# Altium PCB PCB_CONTROL.PcbDoc (part 1 of 2) (continued)
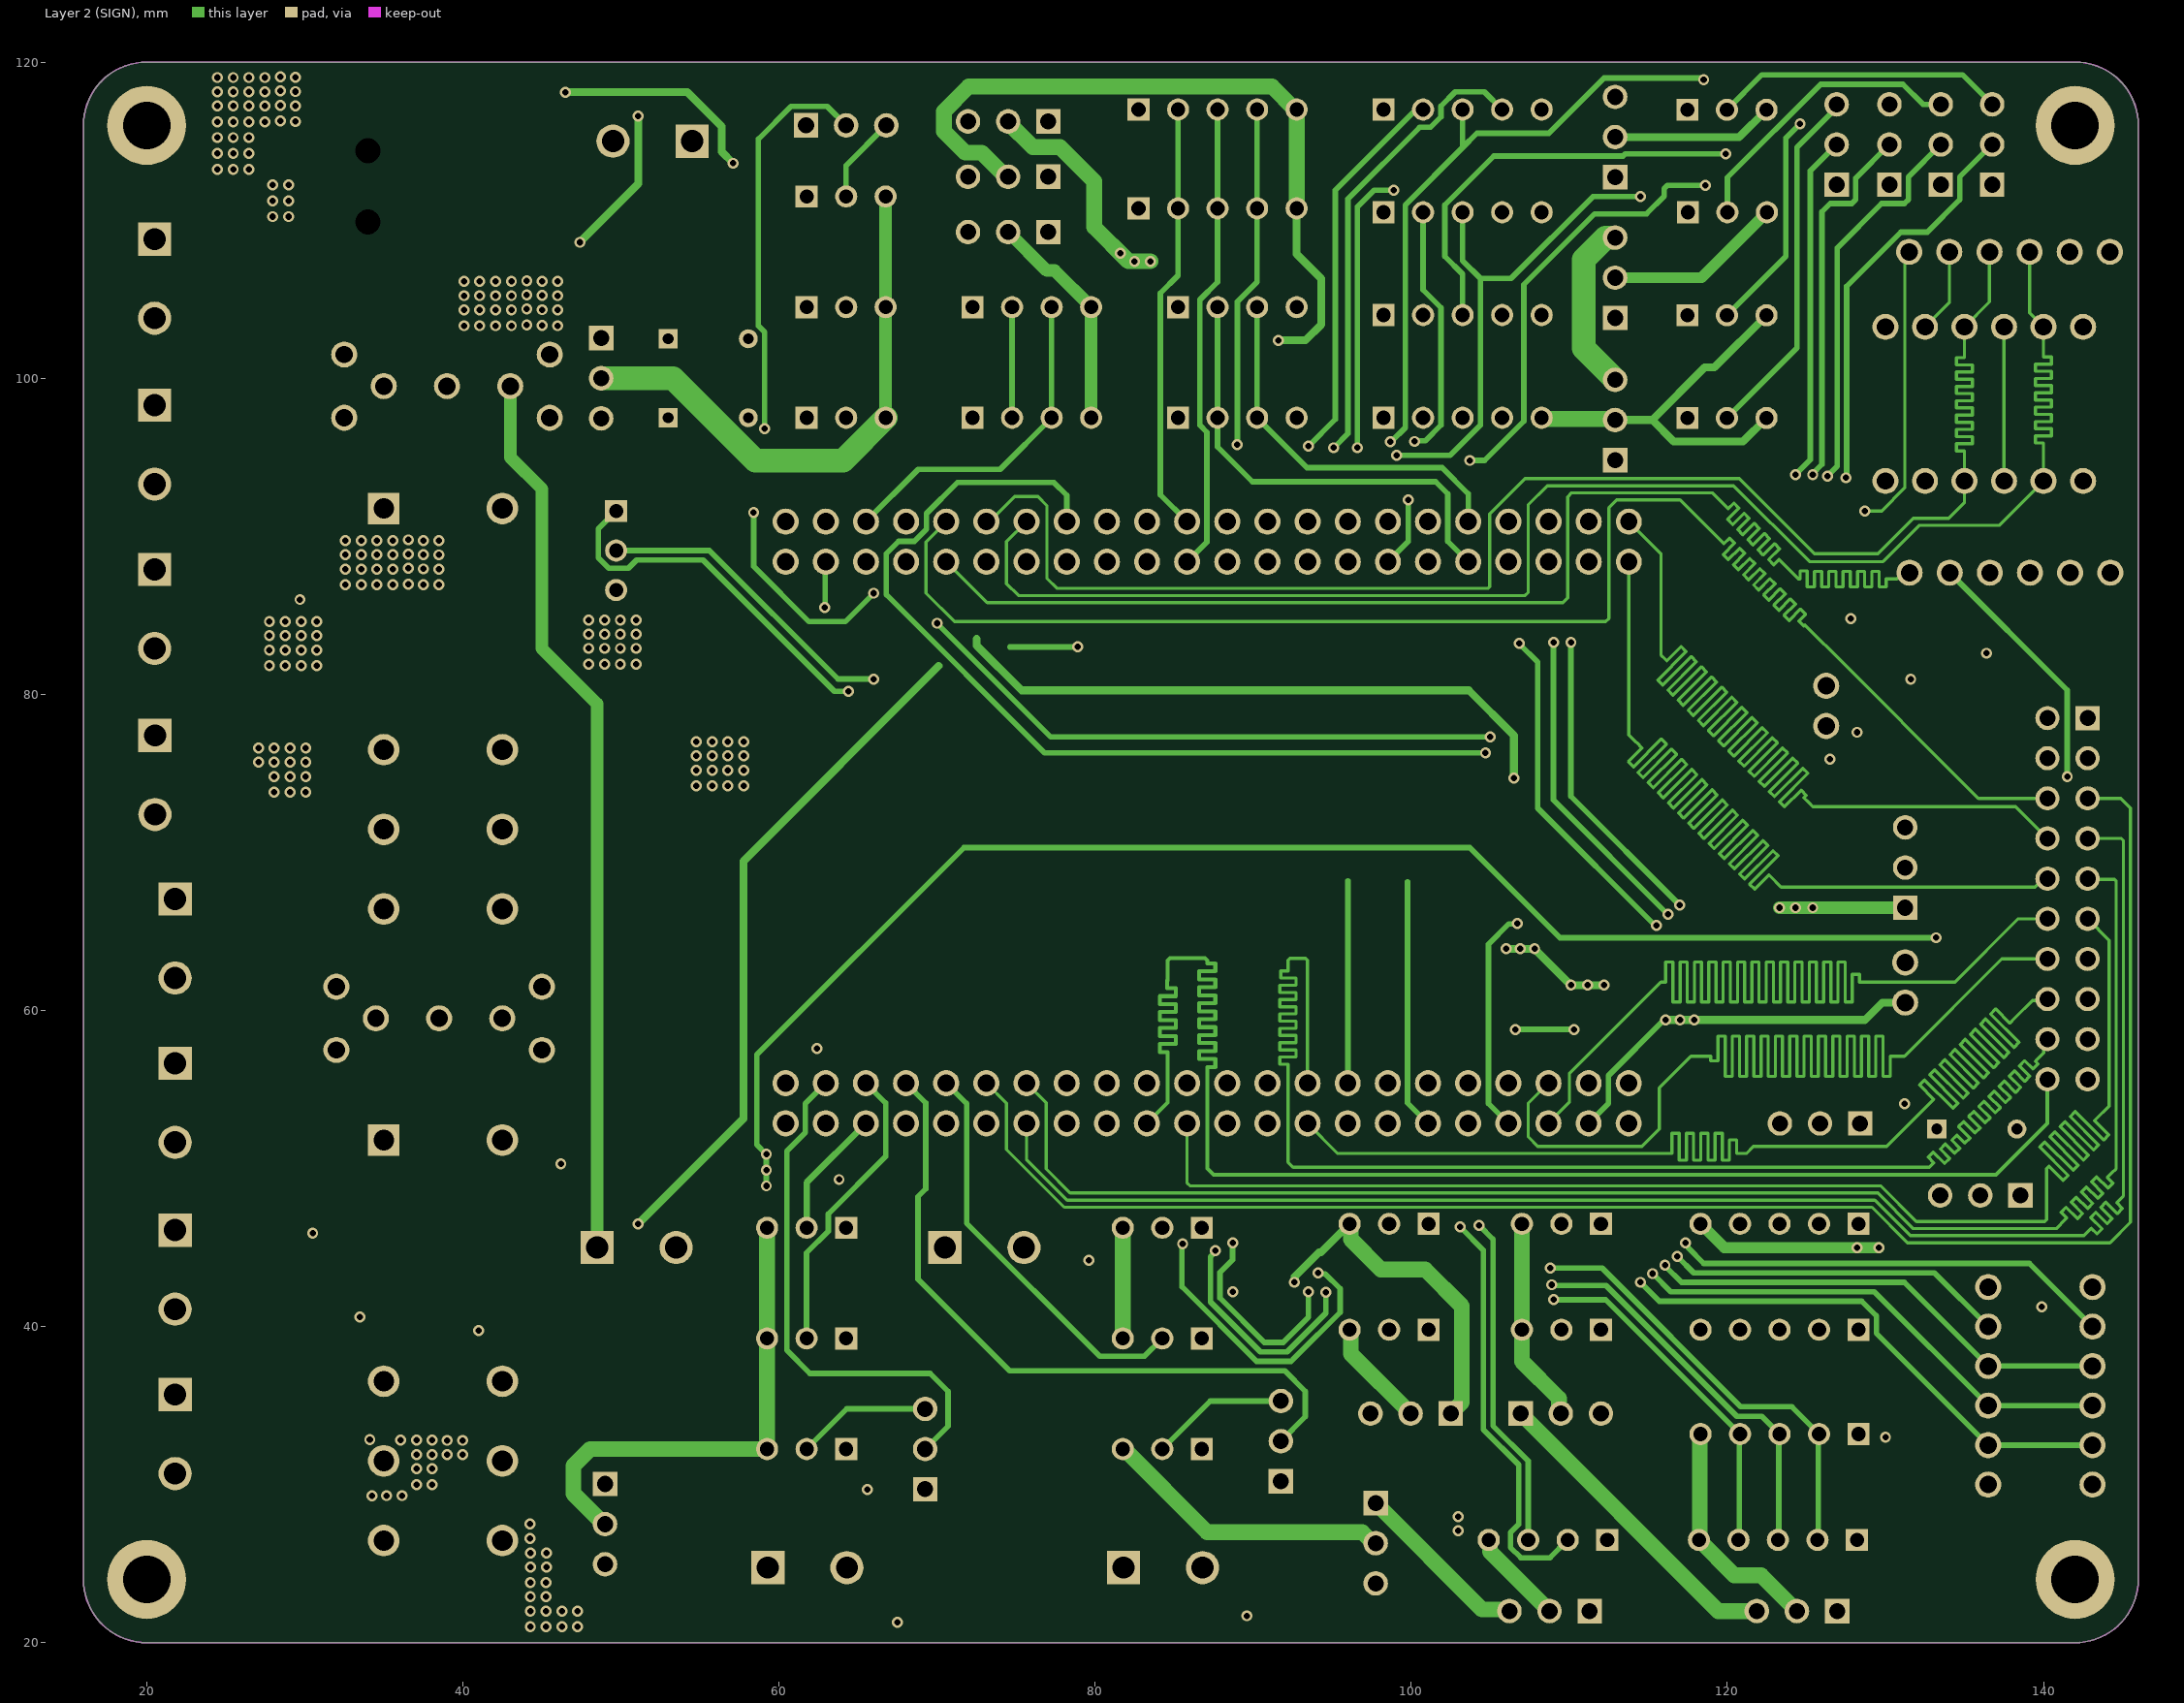
[diagram p3: Layer 2 (SIGN)]
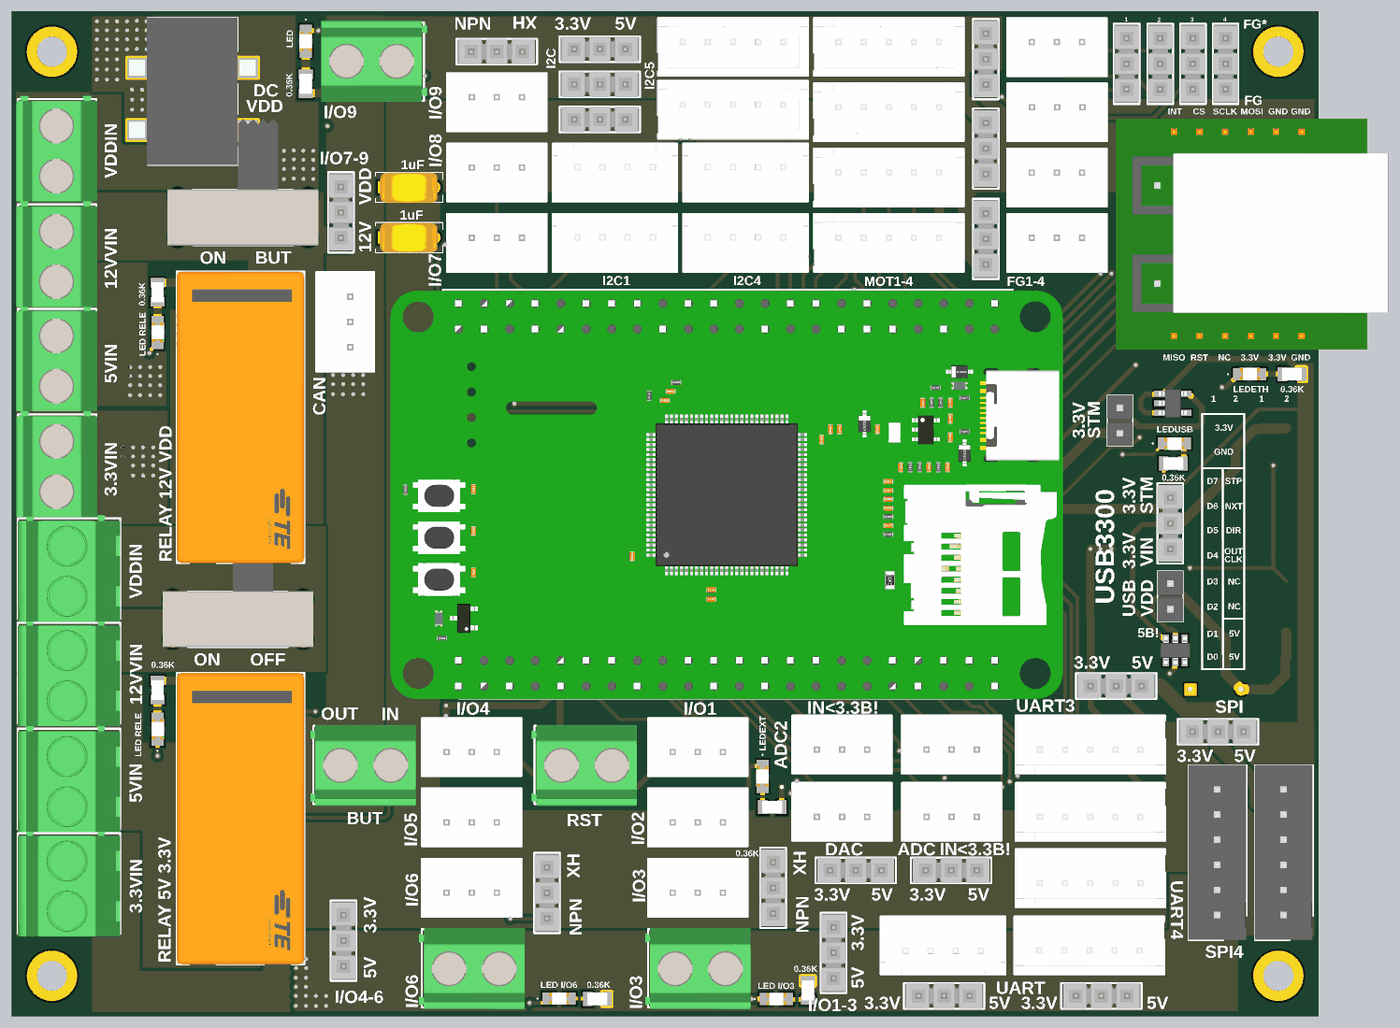
[diagram p5: 3D render of the assembled board from above, using the file's embedded part models]
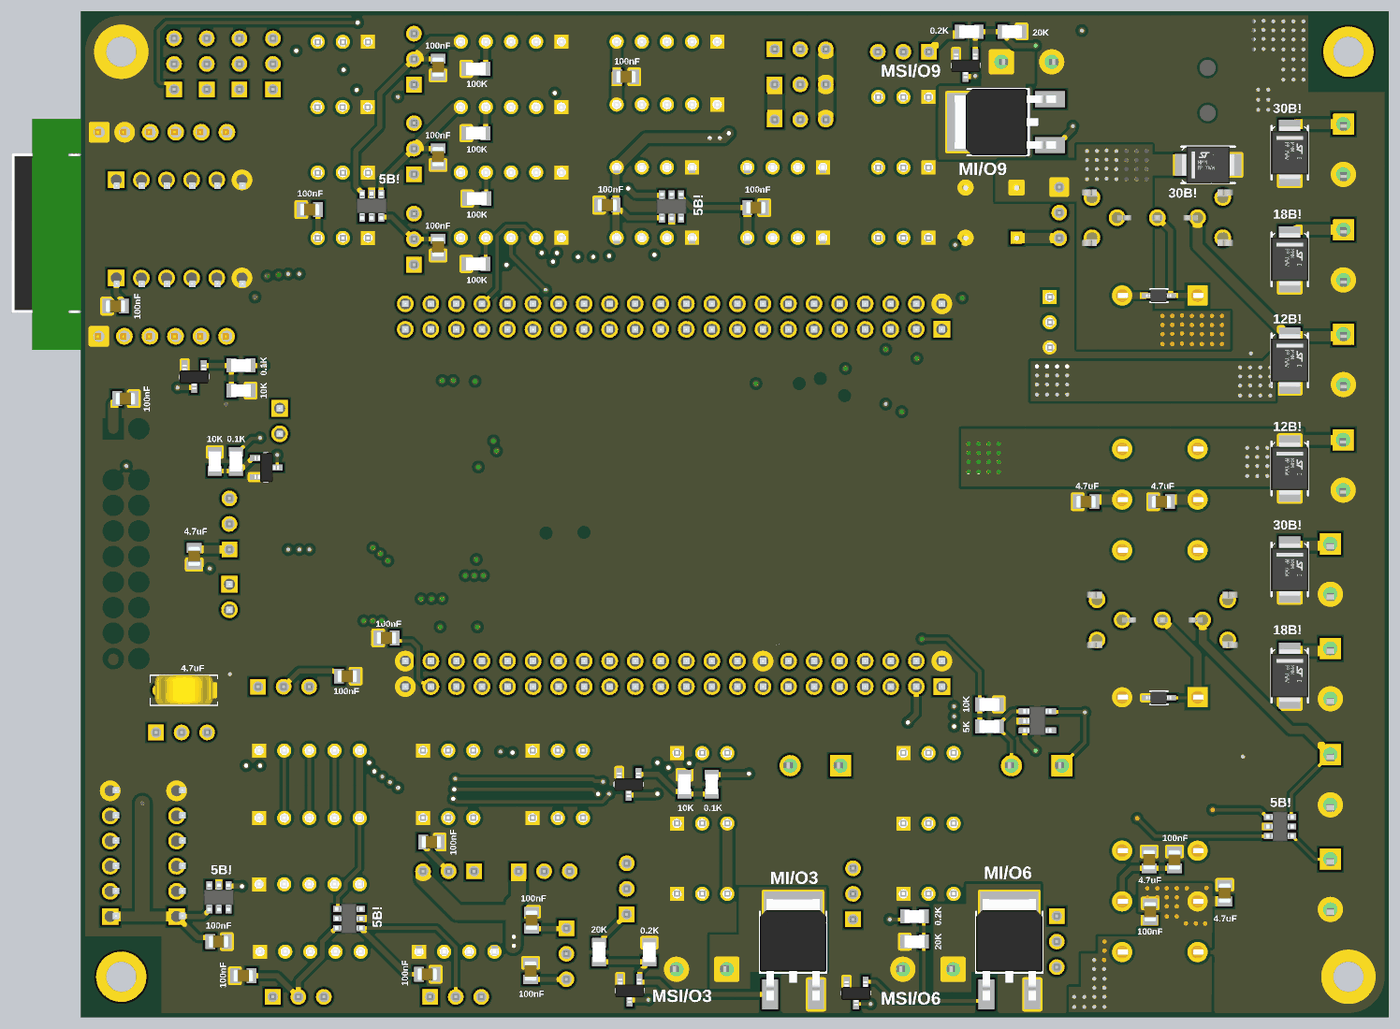
[diagram p6: 3D render of the assembled board from below, using the file's embedded part models]

## Layer stack, top to bottom
Top Solder: solder mask 0.025, Solder Resist, Dk 3.5
Top Layer (PWR): signal copper 0.035
Dielectric 2: prepreg 0.115, FR-4, Dk 4.2
Layer 1 (GND): signal copper 0.035
Dielectric 1: dielectric 1.13, FR-4, Dk 4.7
Layer 2 (SIGN): signal copper 0.035
Dielectric 3: prepreg 0.115, FR-4, Dk 4.2
Bottom Layer (GND): signal copper 0.035
Bottom Solder: solder mask 0.025, Solder Resist, Dk 3.5

## Board outline
16,24 16,116 cw(c20,116) 20,120 142,120 142,120.002 cw(c141.999,116.001) 146,116 146,24 cw(c141.989,24.01) 141.979,19.999 142,20 20,20 cw(c20,24)

## Design rules (kind name [scope] priority, off if disabled: settings)
BoardOutlineClearance [All] p1: gap=0.4 ignorepadtopadclearanceinfootprint=FALSE
Clearance [All] p1: gap=0.25 ignorepadtopadclearanceinfootprint=FALSE except(0.3: Arc-Fill Arc-Poly Arc-Region Track-Fill Track-Poly Track-Region SMDPad-Fill SMDPad-Poly SMDPad-Region THPad-Fill THPad-Poly THPad-Region Via-Fill Via-Poly Via-Region)
ComponentClearance [All] p1: gap=-100 collisioncheckmode=3 verticalgap=-100 showdistances=FALSE
DiffPairsRouting [All] p1: maxlimit=0.5 minlimit=0.2 mostfreqgap=0.25 toplayer_minwidth=0.2 toplayer_maxwidth=0.35 toplayer_prefwidth=0.25 midlayer1_minwidth=0.2 midlayer1_maxwidth=0.35 midlayer1_prefwidth=0.25 midlayer2_minwidth=0.2 midlayer2_maxwidth=0.35 midlayer2_prefwidth=0.25 bottomlayer_minwidth=0.2 bottomlayer_maxwidth=0.35 bottomlayer_prefwidth=0.25 maxuncoupledlength=12.7
Height [All] p1: minheight=0 maxheight=100 prefheight=12.7
HoleSize [All] p1: absolutevalues=TRUE maxlimit=5 minlimit=0.3 maxpercent=80.000 minpercent=20.000
HoleToHoleClearance [All] p1: gap=0.5 allowstackedmicrovias=TRUE
MatchedLengths MatchedLengths_1 [InNetClass('50OhUSB')] p1: tolerance=5 checknetsindiffpair=FALSE checkdiffpairvsdiffpair=TRUE checkxsignals=TRUE checkothers=TRUE
MatchedLengths [InNetClass('50OhETH')] p2: tolerance=5 checknetsindiffpair=FALSE checkdiffpairvsdiffpair=TRUE checkxsignals=TRUE checkothers=TRUE
MinimumAnnularRing [All] p1: minimumring=0.15
MinimumSolderMaskSliver [All] p1: minsoldermaskwidth=0.25
PlaneClearance [All] p1: clearance=0.25
PlaneConnect [All] p1: planeconnectstyle=Direct reliefexpansion=0.508 reliefentries=4 reliefconductorwidth=0.254 reliefairgap=0.254
PolygonConnect [All] p1: connectstyle=Direct reliefconductorwidth=0.254 reliefentries=4 polygonreliefangle="90 Angle" airgapwidth=0.254
RoutingVias [All] p1: holewidth=0.4 width=0.7 viastyle="Through Hole" minholewidth=0.3 minwidth=0.7 maxholewidth=0.5 maxwidth=0.7
SilkToSilkClearance [All] p1: silktosilkclearance=0
SilkToSolderMaskClearance [IsPad] p1: minsilkscreentomaskgap=0 clearancetoexposedcopper=TRUE
SolderMaskExpansion [All] p1: expansion=0.2 istentingtop=FALSE
UnRoutedNet [All] p1: checkbadconnections=TRUE
Width Width_1 [InNetClass('50Oh')] p1: maxlimit=5 minlimit=0.2 preferedwidth=0.281 midlayer1_prefwidth=0.2 midlayer2_prefwidth=0.2 impedanceprofiledriven=TRUE impedanceprofileid={30B3FABD-EAF2-4661-A894-F71A052667B3} impedanceprofilevalue=40.000000 minimp=50.000000 maximp=50.000000 favimp=50.000000
Width [All] p2: maxlimit=5 minlimit=0.2 preferedwidth=0.3 minimp=50.000000 maximp=50.000000 favimp=50.000000
19 further rules are at their usual default settings.

## Classes and differential pairs
net class 50OhETH: PB3 PB4 PD6
net class 50OhUSB: D0 D1 D2 D3 D4 D5 D6 D7 DIR NXT PA5 PC0
component class U_LEDS: LEDETH(BLUE) LEDEXT(YELLOW) LEDUSB(BLUE) NMOSETH NMOSEXT NMOSUSB RESETH RESEXT RESG1 RESG2 RESG3 RESG4 RESG5 RESG6 RESUSB
component class U_I_O: CAP3VI/O1 CAP3VI/O2 CAP5VI/O1 CAP5VI/O2 CAP12VI/O CAPVDDI/O I/O1 I/O2 I/O3 I/O4 I/O5 I/O6 I/O7 I/O8 I/O9 JMPI/O1 JMPI/O2 JMPI/O3 JMPI/O3HIGH JMPI/O6 JMPI/O9 LED3(GREEN) LED6(GREEN) LED9(GREEN) M1 M6 M9 MS1 MS6 MS9 OUT3 OUT6 OUT9 RES1 RES2 RES3 RES4 RES5 RES6 RES7 RES8 RES9
component class U_ADC1: ADC1-1 ADC1-2 CAPADC JMPADC1
component class U_USB3300: CAPUSB3V USB3300
component class U_UARTSTM: CAPUART3 CAPUART4 CAPUART7 JMPUART3 JMPUART4 JMPUART7 NUPUART UART3-1 UART3-2 UART4-1 UART4-2 UART7-1
component class U_STM32: BUTIN1 BUTIN2 CAP5VUSB CAPSTM3V CAPSTM5V ESDUSB JMP3VUSB JMP5VUSB RSTOUT STM
component class U_SPI: CAPSPI3 CAPSPI4 JMPSPI NUPSPI SPI3-1 SPI3-2 SPI4-1 SPI4-2 W5500SPI
component class U_RELAY_12VV_VDD_LEVEL: DIODRELE1 LEDRELE1 RELAY1 RESRELE1 ПД9-2RELE2
component class U_RELAY_5V_3.3V_LEVEL: DIODRELE2 LEDRELE2 RELAY2 RES_RELAY_2 ПД9-2RELE1
component class U_MOTORS: CAPMOT1 CAPMOT2 CAPMOT3 CAPMOT4 JMPFG1 JMPFG2 JMPFG3 JMPFG4 JMPMOT2 JMPMOT3 JMPMOT4 NUPMOT RESPWM1 RESPWM2 RESPWM3 RESPWM4 XH3MOT1 XH3MOT2 XH3MOT3 XH3MOT4 XH5MOT1 XH5MOT2 XH5MOT3 XH5MOT4
component class U_I2C: CAPI2C1 CAPI2C4 CAPI2C5 ESDI2C I2C1-2 I2C4-1 I2C4-2 I2C5-1 I2C5-2 I2С1-1 JMPI2C1 JMPI2C4 JMPI2C5
component class U_CAN: CAN
component class CONTROL_PCB_MAIN: CAP3.3VIN CAP5VIN CAP12VVIN CAPVDDIN DC050_VDD DGBUT DGIN3.3V2 DGIN5V2 DGIN12VV2 DGOUT3.3V DGOUT5V DGOUT12VV DGOUTVDD DGVDD2 ESD12VV ESDOUT3V ESDOUT5V ESDOUT12V ESDOUTVDD ESDPLUG_VDD ESDVDD JMPDC1 JMPSTM5V MAX5VSTM MAXBUT NUPIN XHADC2 XHDAC1

## Components (designator, comment, footprint, x,y, rotation, side; value= is the part's Value field where it differs from the comment)
ADC1-1 "XH2.54-3" XH2.54-3 114.475,49.986 r180 top
ADC1-2 "XH2.54-3" XH2.54-3 114.475,43.286 r180 top
BUTIN1 "5K" RES0805 57.228,48.096 r180 bottom
BUTIN2 "10K" RES0805 57.228,50.283 r180 bottom
CAN "XH2.54-3" XH2.54-3 46.214,94.075 r270 top
CAP3.3VIN "4.7uF" CAP0805 40.627,37.06 r270 bottom
CAP3VI/O1 "0.1uF" CAP0805 36.473,34.2 r90 bottom
CAP3VI/O2 "0.1uF" CAP0805 100.373,28.2 r90 bottom
CAP5VI/O1 "0.1uF" CAP0805 40.527,31.9 r270 bottom
CAP5VI/O2 "0.1uF" CAP0805 100.473,23.14 r90 bottom
CAP5VIN "4.7uF" CAP0805 31.473,30.893 r90 bottom
CAP5VUSB "47uF" К10-17Б 132.412,54.033 r0 bottom
CAP12VI/O "1uF" К10-17Б 52.162,95.967 r0 top
CAP12VVIN "4.7uF" CAP0805 47.51,70.423 r180 bottom
CAPADC "0.1uF" CAP0805 112.6,36.573 r180 bottom
CAPI2C1 "0.1uF" CAP0805 77.49,101.327 r0 bottom
CAPI2C4 "0.1uF" CAP0805 95.1,99.923 r180 bottom
CAPI2C5 "0.1uF" CAP0805 90.4,114.327 r0 bottom
CAPMOT1 "0.1uF" CAP0805 121.84,101.127 r0 bottom
CAPMOT2 "0.1uF" CAP0805 111.327,98 r270 bottom
CAPMOT3 "0.1uF" CAP0805 111.327,107 r270 bottom
CAPMOT4 "0.1uF" CAP0805 111.327,115.9 r270 bottom
CAPSPI3 "0.1uF" CAP0805 144,89.873 r180 bottom
CAPSPI4 "0.1uF" CAP0805 130.9,28.327 r0 bottom
CAPSTM3V "0.1uF" CAP0805 133.923,64.4 r90 bottom
CAPSTM5V "0.1uF" CAP0805 117.06,56.873 r180 bottom
CAPUART3 "0.1uF" CAP0805 118.1,54.727 r0 bottom
CAPUART4 "0.1uF" CAP0805 131.3,23.273 r180 bottom
CAPUART7 "0.1uF" CAP0805 110.15,25.077 r0 bottom
CAPUSB3V "0.1uF" CAP0805 143.01,80.673 r180 bottom
CAPVDDI/O "1uF" К10-17Б 52.162,100.967 r0 top
CAPVDDIN "4.7uF" CAP0805 40.01,70.423 r180 bottom
DC050_VDD "DC050" DC050 40.558,105.513 r90 top
DGBUT "DG127-5.0-02P" DG127-5.0-02P 45.863,40.963 r0 top
DGIN3.3V2 "DG128-5.0-02P" DG128-5.0-02P 16.647,38.207 r270 top
DGIN5V2 "DG128-5.0-02P" DG128-5.0-02P 16.647,48.607 r270 top
DGIN12VV2 "DG128-5.0-02P" DG128-5.0-02P 16.647,59.157 r270 top
DGOUT3.3V "DG127-5.0-02P" DG127-5.0-02P 16.488,80.037 r270 top
DGOUT5V "DG127-5.0-02P" DG127-5.0-02P 16.463,90.537 r270 top
DGOUT12VV "DG127-5.0-02P" DG127-5.0-02P 16.463,100.937 r270 top
DGOUTVDD "DG127-5.0-02P" DG127-5.0-02P 16.463,111.437 r270 top
DGVDD2 "DG128-5.0-02P" DG128-5.0-02P 16.647,69.557 r270 top
DIODRELE1 "DIOD0805" DIOD0805 36.95,92.475 r0 bottom
DIODRELE2 "DIOD0805" DIOD0805 36.95,52.475 r0 bottom
ESD12VV "SM6T30A" SM6T-A 27.764,57.276 r270 bottom
ESDI2C "NUP4114" NUP4114 89.05,99.023 r180 bottom
ESDOUT3V "SM6T30A" SM6T-A 27.764,77.876 r270 bottom
ESDOUT5V "SM6T30A" SM6T-A 27.764,88.626 r270 bottom
ESDOUT12V "SM6T30A" SM6T-A 27.764,98.676 r270 bottom
ESDOUTVDD "SM6T30A" SM6T-A 27.764,109.276 r270 bottom
ESDPLUG_VDD "SM6T30A" SM6T-A 37.276,102.823 r180 bottom
ESDUSB "NUP4114" NUP4114 130,54.8 r0 top
ESDVDD "SM6T30A" SM6T-A 27.764,67.826 r270 bottom
I2C1-2 "XH2.54-4" XH2.54-4 82.35,106.896 r180 top
I2C4-1 "XH2.54-4" XH2.54-4 95.35,99.896 r180 top
I2C4-2 "XH2.54-4" XH2.54-4 95.35,106.896 r180 top
I2C5-1 "XH2.54-5" XH2.54-5 95.243,113.273 r180 top
I2C5-2 "XH2.54-5" XH2.54-5 95.243,119.523 r180 top
I2С1-1 "XH2.54-4" XH2.54-4 82.35,99.896 r180 top
I/O1 "XH2.54-3" XH2.54-3 89.225,49.736 r180 top
I/O2 "XH2.54-3" XH2.54-3 89.225,42.736 r180 top
I/O3 "XH2.54-3" XH2.54-3 89.225,35.736 r180 top
I/O4 "XH2.54-3" XH2.54-3 66.725,49.736 r180 top
I/O5 "XH2.54-3" XH2.54-3 66.725,42.736 r180 top
I/O6 "XH2.54-3" XH2.54-3 66.725,35.736 r180 top
I/O7 "XH2.54-3" XH2.54-3 59.275,94.014 r0 top
I/O8 "XH2.54-3" XH2.54-3 59.275,101.014 r0 top
I/O9 "XH2.54-3" XH2.54-3 59.275,108.014 r0 top
JMP3VUSB "JMP-03P" JMP-03P 132.585,64.875 r90 top
JMP5VUSB "JMP-02P" JMP-02P 132.546,59.203 r90 top
JMPADC1 "JMP-03P" JMP-03P 105.295,33.165 r0 top
JMPDC1 "JMP-03P" JMP-03P 104.125,35.835 r180 top
JMPFG1 "JMP-03P" JMP-03P 128.25,110.625 r90 top
JMPFG2 "JMP-03P" JMP-03P 131.585,110.625 r90 top
JMPFG3 "JMP-03P" JMP-03P 134.835,110.625 r90 top
JMPFG4 "JMP-03P" JMP-03P 138.085,110.625 r90 top
JMPI2C1 "JMP-03P" JMP-03P 78.665,110.585 r180 top
JMPI2C4 "JMP-03P" JMP-03P 78.665,117.585 r180 top
JMPI2C5 "JMP-03P" JMP-03P 78.665,114.085 r180 top
JMPI/O1 "JMP-03P" JMP-03P 96.415,30.455 r270 top
JMPI/O2 "JMP-03P" JMP-03P 47.665,31.665 r270 top
JMPI/O3 "JMP-03P" JMP-03P 47.415,104.165 r270 top
JMPI/O3HIGH "JMP-03P" JMP-03P 93.085,28.585 r90 top
JMPI/O6 "JMP-03P" JMP-03P 70.585,28.085 r90 top
JMPI/O9 "JMP-03P" JMP-03P 60.085,114.665 r0 top
JMPMOT2 "JMP-03P" JMP-03P 114.235,93.195 r90 top
JMPMOT3 "JMP-03P" JMP-03P 114.235,102.195 r90 top
JMPMOT4 "JMP-03P" JMP-03P 114.235,111.095 r90 top
JMPSPI "JMP-03P" JMP-03P 140.165,49.635 r180 top
JMPSTM5V "JMP-02P" JMP-02P 127.546,76.703 r90 top
JMPUART3 "JMP-03P" JMP-03P 130.025,54.185 r180 top
JMPUART4 "JMP-03P" JMP-03P 128.565,23.335 r180 top
JMPUART7 "JMP-03P" JMP-03P 112.915,23.335 r180 top
LED3(GREEN) "LED0805" LED0805 90.287,20.965 r0 top
LED6(GREEN) "LED0805" LED0805 68.687,21.015 r0 top
LED9(GREEN) "LED0805" LED0805 44.515,118.813 r270 top
LEDETH(BLUE) "LED0805" LED0805 137.387,83.165 r0 top
LEDEXT(YELLOW) "LED0805" LED0805 89.965,45.613 r270 top
LEDRELE1 "GREEN" LED0805 31.235,86.287 r90 top
LEDRELE2 "GREEN" LED0805 31.235,46.787 r90 top
LEDUSB(BLUE) "LED0805" LED0805 129.887,76.265 r0 top
M1 "2N7002P" 2N7002P 90.125,24.4 r0 bottom
M6 "2N7002P" 2N7002P 67.625,24.15 r0 bottom
M9 "2N7002P" 2N7002P 56.725,116.4 r0 bottom
MAX5VSTM "MAX40203" MAX40203 130.675,79.55 r0 top
MAXBUT "MAX40203" MAX40203 51.75,48 r180 bottom
MS1 "20N06" 20N06 78.412,20.675 r180 bottom
MS6 "20N06" 20N06 56.912,20.675 r180 bottom
MS9 "20N06" 20N06 48.086,105.803 r90 bottom
NMOSETH "2N7002P" 2N7002P 133.425,85.45 r0 bottom
NMOSEXT "2N7002P" 2N7002P 90.225,44.9 r0 bottom
NMOSUSB "2N7002P" 2N7002P 129.35,75.975 r270 bottom
NUPIN "NUP4114" NUP4114 28.4,40.7 r270 bottom
NUPMOT "NUP4114" NUP4114 115.35,102.277 r0 bottom
NUPSPI "NUP4114" NUP4114 130.55,33.5 r0 bottom
NUPUART "NUP4114" NUP4114 117.773,28.05 r90 bottom
OUT3 "DG127-5.0-02P" DG127-5.0-02P 79.163,20.713 r0 top
OUT6 "DG127-5.0-02P" DG127-5.0-02P 56.663,20.713 r0 top
OUT9 "DG127-5.0-02P" DG127-5.0-02P 57.137,119.037 r180 top
RELAY1 "RELAY" RELAY-5V 32.4,94.215 r270 top
RELAY2 "RELAY" RELAY-5V 32.4,54.255 r270 top
RES1 "200R" RES0805 95.304,27.978 r270 bottom
RES2 "20K" RES0805 88.696,24.922 r90 bottom
RES3 "360R" RES0805 96.004,21.022 r90 top
RES4 "200R" RES0805 64.678,29.196 r180 bottom
RES5 "20K" RES0805 61.622,28.304 r0 bottom
RES6 "360R" RES0805 72.722,20.896 r0 top
RES7 "200R" RES0805 59.228,117.196 r180 bottom
RES8 "20K" RES0805 54.978,117.196 r180 bottom
RES9 "360R" RES0805 44.446,114.328 r270 top
RES_RELAY_2 "360R" RES0805 31.304,50.922 r90 top
RESETH "360R" RES0805 141.822,83.096 r0 top
RESEXT "360R" RES0805 90.122,39.996 r0 top
RESG1 "100R" RES0805 131.404,76.778 r270 bottom
RESG2 "10K" RES0805 133.504,76.778 r270 bottom
RESG3 "100R" RES0805 128.572,85.604 r0 bottom
RESG4 "10K" RES0805 128.572,83.104 r0 bottom
RESG5 "100R" RES0805 84.104,44.678 r270 bottom
RESG6 "10K" RES0805 86.804,44.678 r270 bottom
RESPWM1 "100K" RES0805 108.178,100.596 r180 bottom
RESPWM2 "100K" RES0805 108.278,94.096 r180 bottom
RESPWM3 "100K" RES0805 108.278,107.096 r180 bottom
RESPWM4 "100K" RES0805 108.278,113.496 r180 bottom
RESRELE1 "360R" RES0805 31.304,90.522 r90 top
RESUSB "360R" RES0805 133.078,75.804 r180 top
RSTOUT "DG127-5.0-02P" DG127-5.0-02P 67.863,40.963 r0 top
SPI3-1 "XH2.54-6" XH2.54-6 127.5,99.75 r0 top
SPI3-2 "XH2.54-6" XH2.54-6 127.5,90 r0 top
SPI4-1 "XH2.54-6" XH2.54-6 139.6,45 r270 top
SPI4-2 "XH2.54-6" XH2.54-6 133,45 r270 top
STM "STM32H7" STM32H7 120.44,51.694 r90 top
UART3-1 "XH2.54-5" XH2.54-5 115.807,43.977 r0 top
UART3-2 "XH2.54-5" XH2.54-5 115.807,37.277 r0 top
UART4-1 "XH2.54-5" XH2.54-5 115.807,30.677 r0 top
UART4-2 "XH2.54-5" XH2.54-5 115.707,23.977 r0 top
UART7-1 "XH2.54-4" XH2.54-4 102.3,24.104 r0 top
USB3300 "USB3300" USB3300 152.616,54.111 r90 top
W5500SPI "W5500_SPI" W5500 129.975,109.25 r270 top
XH3MOT1 "XH2.54-3" XH2.54-3 115,94 r0 top
XH3MOT2 "XH2.54-3" XH2.54-3 115,100.5 r0 top
XH3MOT3 "XH2.54-3" XH2.54-3 115.025,107.014 r0 top
XH3MOT4 "XH2.54-3" XH2.54-3 115,113.5 r0 top
XH5MOT1 "XH2.54-5" XH2.54-5 110.743,100.023 r180 top
XH5MOT2 "XH2.54-5" XH2.54-5 110.743,106.523 r180 top
XH5MOT3 "XH2.54-5" XH2.54-5 110.743,113.023 r180 top
XH5MOT4 "XH2.54-5" XH2.54-5 110.743,119.523 r180 top
XHADC2 "XH2.54-3" XH2.54-3 103.575,49.986 r180 top
XHDAC1 "XH2.54-3" XH2.54-3 103.575,43.286 r180 top
ПД9-2RELE1 "ПД9-2" ПД9-2 46,62.3 r180 top
ПД9-2RELE2 "ПД9-2" ПД9-2 46.5,102.3 r180 top

## Footprints (in the part's own frame and the unit in brackets; to place one, negate y for a bottom-side part, rotate by r counter-clockwise, add the part's x,y. Pads: shape width x height; smd on the part's side, far side on the other; paste and mask are expansions set on the pad)
2N7002P [mm]
  rect 0.6x1.05 smd: 1(0.375,0.65) 2(2.275,0.65) 3(1.325,2.85)
  silkscreen extent -0.12,1.52 2.78,1.97, body extent -0.12,0.6 2.78,3, height 0.91
20N06 [mm]
  rect 1.6x3 smd: 1(0.912,1.575) 3(5.482,1.575)
  rect 5.8x6.2 smd: 2(3.197,8.714)
  silkscreen extent -0.1,3.7 6.5,9.8, body extent -0.1,0.99 6.5,11.09, height 2.33
CAP0805 [mm]
  rect 0.97x1.47 smd: 1(0.6,0.827) 2(2.26,0.827)
  body extent 0.43,0.2 2.43,1.45, height 1.45
DC050 [mm]
  round 0.8 hole 1.6 unplated: 0(4.387,6.558) 0(8.887,6.558)
  rect 2x2 smd: 1(2.687,1.058) 1(8.887,1.058) 2(8.887,12.058) 3(2.687,12.058)
  silkscreen extent -0.81,2.05 13.89,11.06, body extent -0.8,0.3 13.9,12.9, height 11.1
DG127-5.0-02P [mm]
  rect 2.1x2.1 hole 1.4: 1(2.637,4.037)
  round 2.1 hole 1.4: 2(7.637,4.037)
  silkscreen extent 0.14,0.14 10.14,7.94, body extent -0.16,-0.06 10.34,8.04, height 10
DG128-5.0-02P [mm]
  rect 2.1x2.1 hole 1.4: 1(2.507,5.153)
  round 2.1 hole 1.4: 2(7.507,5.153)
  silkscreen extent 0.01,-0.05 10.01,10.15, body extent -0.29,-0.05 10.28,10.15, height 14
DIOD0805 [mm]
  rect 1.075x0.5 smd: 1(0.726,0.725) 2(3.05,0.725)
  silkscreen extent 1.02,0.07 2.74,1.4, body extent 0.67,0.07 3.18,1.38, height 1.06
JMP-02P [mm]
  rect 1.65x1.65 / inner round 1.65 / far side rect 1.65x1.65 hole 1.1: 1(3.837,1.296)
  round 1.65 hole 1.1: 2(1.297,1.296)
  silkscreen extent 0.03,0.03 5.11,2.57, body extent 0.03,0.03 5.11,2.57, height 8.64
JMP-03P [mm]
  rect 1.55x1.55 hole 1.02: 1(1.625,1.335)
  round 1.55 hole 1.02: 2(4.165,1.335) 3(6.705,1.335)
  silkscreen extent 0.17,0.07 8.17,2.61, body extent 0.36,0.07 7.98,2.61, height 8.38
LED0805 [mm]
  rect 1.2x1.2 smd: 1(0.713,0.735) 2(2.813,0.735)
  silkscreen extent -0.44,0.2 1.75,1.25, body extent 0.77,0.1 2.78,1.35, height 0.8
MAX40203 [mm]
  rect 1.25x0.6 smd: 1(-0.425,2.4) 2(-0.425,1.45) 3(-0.425,0.5) 4(2.075,0.5) 5(2.075,2.4)
  silkscreen extent 0.53,2.58 0.63,2.67, body extent -0.58,0 2.22,2.9, height 1.45
NUP4114 [mm]
  rect 0.6x0.96 smd: 1(0.8,0.477) 2(1.75,0.477) 3(2.7,0.477) 4(2.7,2.7) 5(1.75,2.7) 6(0.8,2.7)
  silkscreen extent 0.48,1.33 0.58,1.42, body extent 0.25,0.22 3.25,2.98, height 1.1
RELAY-5V [mm]
  rect 2x2 hole 1.3 paste-2539.97 mask+0: 1(2.455,2.6)
  round 2 hole 1.3 paste-2539.97 mask+0: 2(2.455,10.1) A1(22.755,2.6) A2(17.715,2.6) A3(27.795,2.6) B1(22.755,10.1) B2(17.715,10.1) B3(27.795,10.1)
  silkscreen extent 0.11,0 29.1,12.7, body extent 0.01,-0.1 29.2,12.8, height 0.25
RES0805 [mm]
  rect 0.95x1.4 smd: 1(0.578,0.804) 2(2.478,0.804)
  silkscreen extent 1.53,0.28 1.53,1.33, body extent 0.53,0.18 2.53,1.43, height 0.6
SM6T-A [mm]
  rect 2.2x2.15 smd: 1(1.126,1.927) 2(5.526,1.927)
  silkscreen extent 0.65,0.1 6,3.75, body extent 0.65,0.07 6,3.78, height 2.5
STM32H7 [mm]
  rect 1.65x1.65 / inner round 1.65 / far side rect 1.65x1.65 hole 1.1: 3.3V(1.166,60.02) 5V(36.696,60.015)
  round 1.65 hole 1.1: 3.3V(3.706,9.22) 5V(1.166,9.22) A0(3.706,39.7) A1(1.166,39.7) A2(3.706,37.16) A3(1.166,37.16) A4(3.706,34.62) A5(1.166,34.62) A6(3.706,32.08) A7(1.166,32.08) A8(36.696,26.995) A9(39.236,26.995) A10(36.696,29.535) A11(39.236,29.535) A12(36.696,32.075) A15(39.236,32.075) B0(3.706,27) B1(1.166,27) B2(3.706,24.46) B3(39.236,47.315) B4(36.696,49.855) B5(39.236,49.855) B6(36.696,52.395) B7(39.236,52.395) B8(36.696,54.935) B9(39.236,54.935) B10(3.706,11.76) B11(1.166,11.76) B12(36.696,6.675) B13(39.236,6.675) B14(36.696,9.215) B15(39.236,9.215) C0(3.706,47.32) C1(1.166,47.32) C2(3.706,44.78) C3(1.166,44.78) C4(3.706,29.54) C5(1.166,29.54) C6(36.696,21.915) C7(39.236,21.915) C8(36.696,24.455) C9(39.236,24.455) C10(36.696,34.615) C11(39.236,34.615) C12(36.696,37.155) C13(3.706,49.86) D0(39.236,37.155) D1(36.696,39.695) D2(39.236,39.695) D3(36.696,42.235) D4(39.236,42.235) D5(36.696,44.775) D6(39.236,44.775) D7(36.696,47.315) D8(36.696,11.755) D9(39.236,11.755) D10(36.696,14.295) D11(39.236,14.295) D12(36.696,16.835) D13(39.236,16.835) D14(36.696,19.375) D15(39.236,19.375) E0(36.696,57.475) E1(39.236,57.475) E2(3.706,57.48) E3(1.166,57.48) E4(3.706,54.94) E5(1.166,54.94) E6(3.706,52.4) E7(1.166,24.46) E8(3.706,21.92) E9(1.166,21.92) E10(3.706,19.38) E11(1.166,19.38) E12(3.706,16.84) E13(1.166,16.84) E14(3.706,14.3) E15(1.166,14.3) G(1.166,6.68) G(3.706,60.02) G(3.706,42.24) G(3.706,6.68) G(39.236,60.015) NR(1.166,49.86) V+(1.166,42.24) VB(1.166,52.4)